# KiCad board analog_i.kicad_pcb
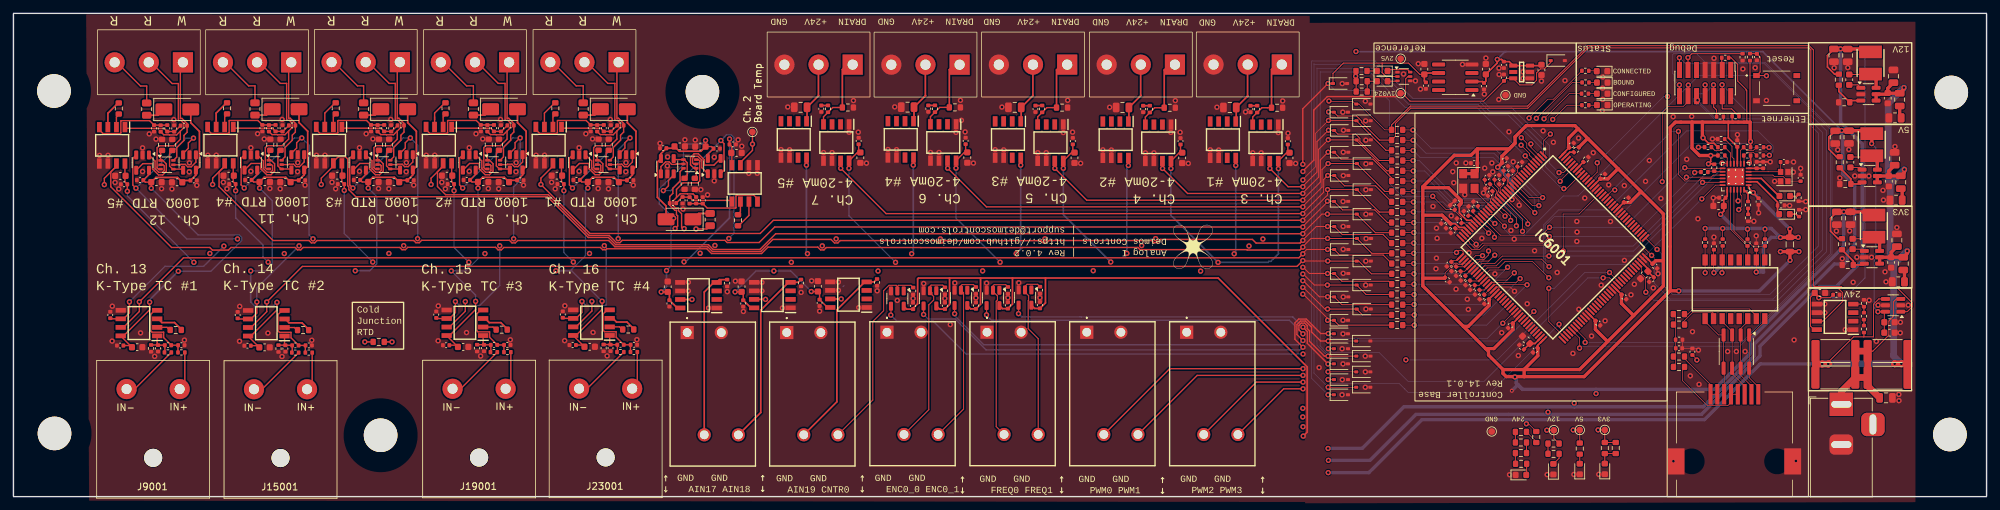
[diagram p0: board, top side]
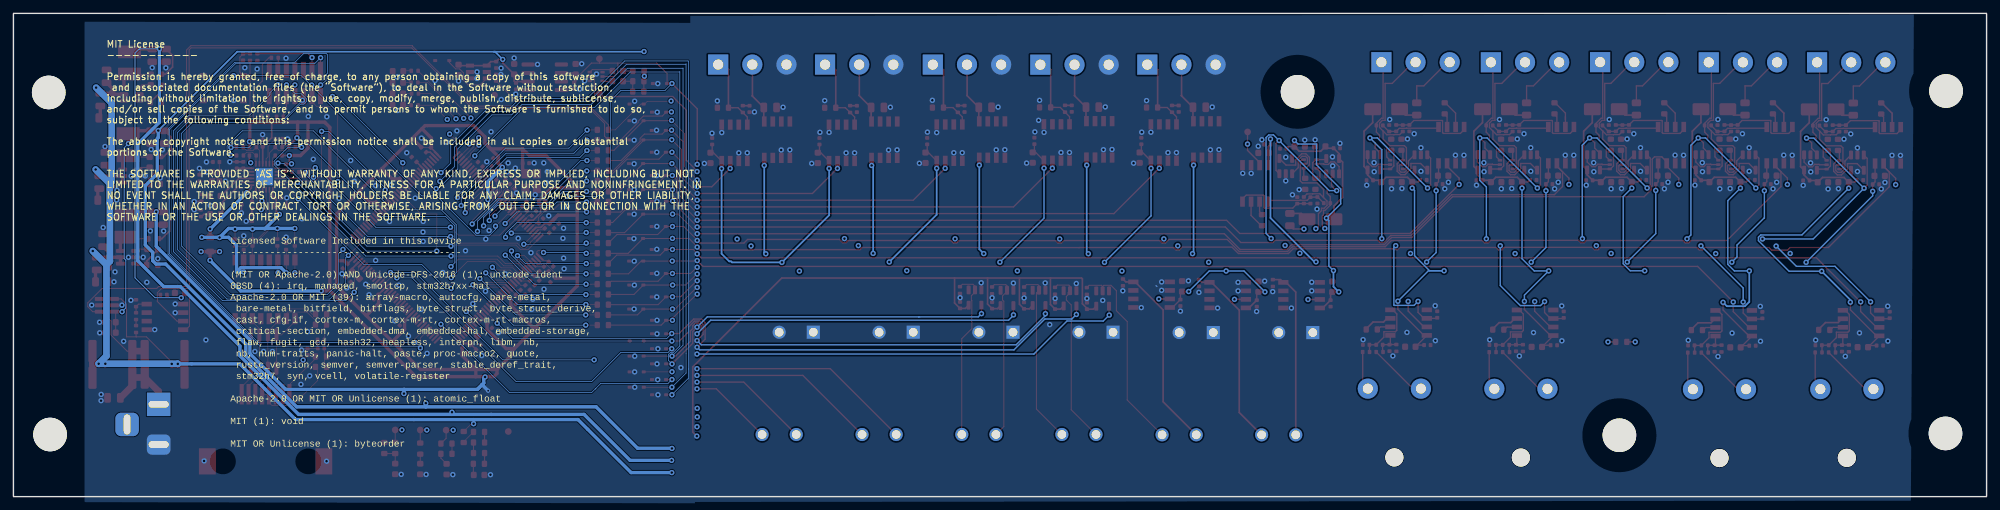
[diagram p1: board, bottom side, seen from below]

Outline 293.57 x 72 mm; copper layers: Top, In1.Cu, In2.Cu, Bottom. Coordinates in mm from the lower left corner of the outline.
Outline path: rectangle 0,72 293.57,0
Stack: Top 0.035mm / dielectric 0.1mm FR4 er 4.5 / In1.Cu 0.035mm / dielectric 1.24mm FR4 er 4.5 / In2.Cu 0.035mm / dielectric 0.1mm FR4 er 4.5 / Bottom 0.035mm

## Placement (name value [footprint] x y rotation side)
-1001  logo_minimal_25p4_by_20p3_mm  [logo_minimal_12p7_by_10p9_mm]  175.5 37.22 180 top
C3001  0.1uF  [C_0402_1005Metric]  108.58 28.78 90 top
C3002  10uF  [C_0603_1608Metric]  108.33 31.28 270 top
C3003  0.1uF  [C_0402_1005Metric]  119.94 28.88 90 top
C3004  10uF  [C_0603_1608Metric]  119.69 31.33 270 top
C3005  0.1uF  [C_0402_1005Metric]  97.6 28.79 90 top
C3006  10uF  [C_0603_1608Metric]  97.35 31.27 270 top
C3007  0.1uF  [C_0402_1005Metric]  133.85 28.41 270 top
C3008  0.1uF  [C_0402_1005Metric]  152.73 28.52 270 top
C3009  0.1uF  [C_0402_1005Metric]  147.96 28.49 270 top
C3010  0.1uF  [C_0402_1005Metric]  138.59 28.42 270 top
C3011  0.1uF  [C_0402_1005Metric]  143.21 28.46 270 top
C4001  1nF  [C_0402_1005Metric]  102.56 44.14 270 top
C4002  10nF  [C_0402_1005Metric]  100.6 44.14 90 top
C4003  1nF  [C_0402_1005Metric]  99.56 44.16 270 top
C4004  0.1uF  [C_0402_1005Metric]  107.02 52.48 0 top
C4005  10uF  [C_0603_1608Metric]  107.58 51.22 180 top
C4006  10uF  [C_0603_1608Metric]  102.2 52.16 0 top
C4007  0.1uF  [C_0402_1005Metric]  104.65 51.86 0 top
C4010  0.1uF  [C_0402_1005Metric]  96.67 51.91 180 top
C4011  10uF  [C_0603_1608Metric]  99.13 52.18 180 top
C5001  1nF  [C_0402_1005Metric]  85.88 54.9 90 top
C5002  10nF  [C_0402_1005Metric]  87.84 54.9 270 top
C5003  1nF  [C_0402_1005Metric]  88.88 54.88 90 top
C5004  0.1uF  [C_0402_1005Metric]  81.42 46.56 180 top
C5005  10uF  [C_0603_1608Metric]  80.86 47.82 0 top
C5006  10uF  [C_0603_1608Metric]  86.23 46.88 180 top
C5007  0.1uF  [C_0402_1005Metric]  83.78 47.18 180 top
C5008  0.1uF  [C_0402_1005Metric]  221.77 62.43 270 top
C5009  0.1uF  [C_0402_1005Metric]  221.75 64.34 90 top
C5010  0.1uF  [C_0402_1005Metric]  91.77 47.13 0 top
C5011  10uF  [C_0603_1608Metric]  89.3 46.86 0 top
C5012  10uF  [C_0603_1608Metric]  227.35 63.58 90 top
C6001  1uF 0402  [C_0402_1005Metric]  224.12 49.51 45 top
C6002  1uF 0402  [C_0402_1005Metric]  222.75 48.21 45 top
C6003  1uF 0402  [C_0402_1005Metric]  222.05 48.9 45 top
C6004  1uF 0402  [C_0402_1005Metric]  219.35 46.23 225 top
C6005  1uF 0402  [C_0402_1005Metric]  219.71 45.17 225 top
C6006  1uF 0402  [C_0402_1005Metric]  219.25 47.55 45 top
C6007  1uF 0402  [C_0402_1005Metric]  221.41 46.87 225 top
C6008  1uF 0402  [C_0402_1005Metric]  220.71 47.57 45 top
C6009  1uF 0402  [C_0402_1005Metric]  217.56 43.63 135 top
C6010  1uF 0402  [C_0402_1005Metric]  216.84 42.91 135 top
C6011  1uF 0402  [C_0402_1005Metric]  216.14 42.2 135 top
C6012  1uF 0402  [C_0402_1005Metric]  214.19 39.63 225 top
C6013  1uF 0402  [C_0402_1005Metric]  213.6 34.63 225 top
C6014  1uF 0402  [C_0402_1005Metric]  214.3 33.93 225 top
C6015  1uF 0402  [C_0402_1005Metric]  214.98 33.23 225 top
C6016  1uF 0402  [C_0402_1005Metric]  215.68 32.54 225 top
C6017  1uF 0402  [C_0402_1005Metric]  216.38 31.84 225 top
C6018  1uF 0402  [C_0402_1005Metric]  217.08 31.15 225 top
C6019  1uF 0402  [C_0402_1005Metric]  217.79 30.44 225 top
C6020  1uF 0402  [C_0402_1005Metric]  218.49 29.74 225 top
C6021  0.1uF  [C_0402_1005Metric]  221.84 50.08 225 top
C6022  0.1uF  [C_0402_1005Metric]  214.8 43.78 315 top
C6023  10nF  [C_0402_1005Metric]  215.1 41.1 315 top
C6024  0.1uF  [C_0402_1005Metric]  214.1 43.08 315 top
C6025  10nF  [C_0402_1005Metric]  213.48 40.33 45 top
C6026  0.1uF  [C_0402_1005Metric]  212.77 41.02 45 top
C6027  0.1uF  [C_0402_1005Metric]  259.4 65.5 90 top
C6028  0.1uF  [C_0402_1005Metric]  231.81 52.35 225 top
C6029  0.1uF  [C_0402_1005Metric]  213.34 32.29 135 top
C6030  0.1uF  [C_0402_1005Metric]  236.46 47.73 225 top
C6031  0.1uF  [C_0402_1005Metric]  219.19 29.05 45 top
C6032  0.1uF  [C_0402_1005Metric]  239.96 44.2 225 top
C6033  0.1uF  [C_0402_1005Metric]  222.73 25.46 45 top
C6034  0.1uF  [C_0402_1005Metric]  224.4 22.27 315 top
C6035  10uF  [C_0603_1608Metric]  225.08 23.35 315 top
C6036  0.1uF  [C_0402_1005Metric]  244.22 34.34 135 top
C6037  0.1uF  [C_0402_1005Metric]  226.43 21.82 45 top
C6038  0.1uF  [C_0402_1005Metric]  239.63 29.75 135 top
C6039  0.1uF  [C_0402_1005Metric]  235.75 25.85 135 top
C6040  10uF  [C_0603_1608Metric]  242.64 33.03 225 top
C6041  0.1uF  [C_0402_1005Metric]  243.71 32.34 45 top
C6043  0.1uF  [C_0402_1005Metric]  217.33 49.68 0 top
C6048  0.1uF  [C_0402_1005Metric]  218.8 61.16 90 top
C6049  10uF  [C_0603_1608Metric]  219.07 63.69 270 top
C6050  0.1uF  [C_0402_1005Metric]  210.15 61.24 90 top
C6051  10uF  [C_0603_1608Metric]  209.92 63.69 270 top
C7001  5.6pF 0402  [C_0402_1005Metric]  263.4 49.86 180 top
C7002  5.6pF 0402  [C_0402_1005Metric]  265.9 47.48 270 top
C7003  470pF 0402  [C_0402_1005Metric]  259.37 49.4 270 top
C7004  1uF 0402  [C_0402_1005Metric]  260.34 49.4 270 top
C7005  0.1uF  [C_0402_1005Metric]  256.48 52.61 270 top
C7006  0.1uF  [C_0402_1005Metric]  259.64 43.97 90 top
C7007  0.1uF  [C_0402_1005Metric]  249.81 21.58 270 top
C7008  0.1uF  [C_0402_1005Metric]  254.25 44.54 0 top
C7009  10uF  [C_0603_1608Metric]  253.7 43.31 0 top
C7010  0.1uF  [C_0402_1005Metric]  259.3 37.26 270 top
C7011  0.1uF  [C_0402_1005Metric]  253 37.28 270 top
C7012  4.7nF  [C_0402_1005Metric]  247.8 22.1 0 top
C8001  0.1uF 0603  [C_0603_1608Metric]  279.13 24.43 0 top
C8002  10uF 0603  [C_0603_1608Metric]  279.13 25.98 0 top
C8003  10uF 50V 0805  [C_0805_2012Metric]  278.62 14.71 0 top
C8005  0.1uF  [C_0402_1005Metric]  271.23 30.07 180 top
C8006  10uF  [C_0603_1608Metric]  268.78 30.35 180 top
C9001  2.2uF  [C_0402_1005Metric]  24.98 22.56 0 top
C9002  1uF  [C_0402_1005Metric]  23 22.56 180 top
C9003  2.2uF  [C_0402_1005Metric]  21.51 22.09 270 top
C9004  0.1uF  [C_0402_1005Metric]  15.88 22.51 180 top
C9005  10uF  [C_0603_1608Metric]  18.41 22.26 180 top
C9006  0.1uF  [C_0402_1005Metric]  14.41 27.06 270 top
C10001  0.1uF 50V 0603  [C_0603_1608Metric]  273.64 37.64 270 top
C10002  10uF 50V 0805  [C_0805_2012Metric]  280.23 38.2 90 top
C10003  10uF 50V 0805  [C_0805_2012Metric]  273.33 41.48 270 top
C10004  10uF 50V 0805  [C_0805_2012Metric]  281.18 34.72 270 top
C10005  0.1uF 50V 0603  [C_0603_1608Metric]  279.38 34.89 270 top
C10006  2.2uF 50V 0805  [C_0805_2012Metric]  271.3 41.47 270 top
C11001  10nF  [C_0402_1005Metric]  184.05 57.77 270 top
C11002  0.1uF  [C_0402_1005Metric]  189.61 52.95 270 top
C11003  10uF  [C_0603_1608Metric]  189.86 50.47 90 top
C11004  0.1uF 50V 0603  [C_0603_1608Metric]  279.03 46.99 270 top
C11005  10uF 50V 0805  [C_0805_2012Metric]  280.81 46.84 270 top
C11006  10uF 50V 0805  [C_0805_2012Metric]  279.9 50.34 90 top
C11009  0.1uF 50V 0603  [C_0603_1608Metric]  273.31 49.82 270 top
C11010  2.2uF 50V 0805  [C_0805_2012Metric]  273.1 53.57 270 top
C11011  10uF 50V 0805  [C_0805_2012Metric]  271.05 53.55 270 top
C12001  0.1uF 50V 0603  [C_0603_1608Metric]  278.87 59.37 270 top
C12002  10uF 50V 0805  [C_0805_2012Metric]  280.65 59.15 270 top
C12003  10uF 50V 0805  [C_0805_2012Metric]  279.72 62.63 90 top
C12006  0.1uF 50V 0603  [C_0603_1608Metric]  273.14 62.13 270 top
C12007  2.2uF 50V 0805  [C_0805_2012Metric]  272.91 65.74 270 top
C12008  10uF 50V 0805  [C_0805_2012Metric]  270.87 65.75 270 top
C13001  1nF  [C_0402_1005Metric]  69.53 54.9 90 top
C13002  10nF  [C_0402_1005Metric]  71.5 54.9 270 top
C13003  1nF  [C_0402_1005Metric]  72.53 54.88 90 top
C13004  0.1uF  [C_0402_1005Metric]  65.08 46.56 180 top
C13005  10uF  [C_0603_1608Metric]  64.52 47.82 0 top
C13006  10uF  [C_0603_1608Metric]  69.89 46.88 180 top
C13007  0.1uF  [C_0402_1005Metric]  67.45 47.18 180 top
C13010  0.1uF  [C_0402_1005Metric]  75.42 47.13 0 top
C13011  10uF  [C_0603_1608Metric]  72.96 46.86 0 top
C14001  10nF  [C_0402_1005Metric]  168.08 57.77 270 top
C14002  0.1uF  [C_0402_1005Metric]  173.64 52.95 270 top
C14003  10uF  [C_0603_1608Metric]  173.89 50.47 90 top
C15001  2.2uF  [C_0402_1005Metric]  43.94 22.53 0 top
C15002  1uF  [C_0402_1005Metric]  41.95 22.53 180 top
C15003  2.2uF  [C_0402_1005Metric]  40.46 22.06 270 top
C15004  0.1uF  [C_0402_1005Metric]  34.83 22.49 180 top
C15005  10uF  [C_0603_1608Metric]  37.36 22.24 180 top
C15006  0.1uF  [C_0402_1005Metric]  33.36 27.04 270 top
C17001  1nF  [C_0402_1005Metric]  53.2 54.9 90 top
C17002  10nF  [C_0402_1005Metric]  55.16 54.9 270 top
C17003  1nF  [C_0402_1005Metric]  56.2 54.88 90 top
C17004  0.1uF  [C_0402_1005Metric]  48.74 46.56 180 top
C17005  10uF  [C_0603_1608Metric]  48.18 47.82 0 top
C17006  10uF  [C_0603_1608Metric]  53.55 46.88 180 top
C17007  0.1uF  [C_0402_1005Metric]  51.11 47.18 180 top
C17008  10uF 50V 0805  [C_0805_2012Metric]  180.98 57.98 0 top
C17010  0.1uF  [C_0402_1005Metric]  59.09 47.13 0 top
C17011  10uF  [C_0603_1608Metric]  56.62 46.86 0 top
C18001  10nF  [C_0402_1005Metric]  152.06 57.78 270 top
C18002  0.1uF  [C_0402_1005Metric]  157.62 52.97 270 top
C18003  10uF  [C_0603_1608Metric]  157.87 50.49 90 top
C19001  2.2uF  [C_0402_1005Metric]  73.48 22.6 0 top
C19002  1uF  [C_0402_1005Metric]  71.5 22.6 180 top
C19003  2.2uF  [C_0402_1005Metric]  70.01 22.13 270 top
C19004  0.1uF  [C_0402_1005Metric]  64.38 22.56 180 top
C19005  10uF  [C_0603_1608Metric]  66.91 22.31 180 top
C19006  0.1uF  [C_0402_1005Metric]  62.91 27.11 270 top
C20001  10uF 50V 0805  [C_0805_2012Metric]  165.01 57.98 0 top
C21001  1nF  [C_0402_1005Metric]  37.03 54.9 90 top
C21002  10nF  [C_0402_1005Metric]  39 54.9 270 top
C21003  1nF  [C_0402_1005Metric]  40.03 54.88 90 top
C21004  0.1uF  [C_0402_1005Metric]  32.58 46.56 180 top
C21005  10uF  [C_0603_1608Metric]  32.02 47.82 0 top
C21006  10uF  [C_0603_1608Metric]  37.39 46.88 180 top
C21007  0.1uF  [C_0402_1005Metric]  34.95 47.18 180 top
C21010  0.1uF  [C_0402_1005Metric]  42.92 47.13 0 top
C21011  10uF  [C_0603_1608Metric]  40.46 46.86 0 top
C22001  10nF  [C_0402_1005Metric]  136.11 57.81 270 top
C22002  0.1uF  [C_0402_1005Metric]  141.67 53 270 top
C22003  10uF  [C_0603_1608Metric]  141.92 50.52 90 top
C23001  2.2uF  [C_0402_1005Metric]  92.31 22.62 0 top
C23002  1uF  [C_0402_1005Metric]  90.33 22.62 180 top
C23003  2.2uF  [C_0402_1005Metric]  88.84 22.16 270 top
C23004  0.1uF  [C_0402_1005Metric]  83.2 22.58 180 top
C23005  10uF  [C_0603_1608Metric]  85.73 22.33 180 top
C23006  0.1uF  [C_0402_1005Metric]  81.73 27.13 270 top
C24001  10uF 50V 0805  [C_0805_2012Metric]  148.99 58 0 top
C25001  1nF  [C_0402_1005Metric]  20.93 54.88 90 top
C25002  10nF  [C_0402_1005Metric]  22.89 54.88 270 top
C25003  1nF  [C_0402_1005Metric]  23.93 54.86 90 top
C25004  0.1uF  [C_0402_1005Metric]  16.46 46.53 180 top
C25005  10uF  [C_0603_1608Metric]  15.9 47.8 0 top
C25006  10uF  [C_0603_1608Metric]  21.28 46.86 180 top
C25007  0.1uF  [C_0402_1005Metric]  18.84 47.16 180 top
C25010  0.1uF  [C_0402_1005Metric]  26.82 47.11 0 top
C25011  10uF  [C_0603_1608Metric]  24.35 46.83 0 top
C26001  10nF  [C_0402_1005Metric]  120.2 57.8 270 top
C26002  0.1uF  [C_0402_1005Metric]  125.76 52.98 270 top
C26003  10uF  [C_0603_1608Metric]  126.01 50.5 90 top
C28001  10uF 50V 0805  [C_0805_2012Metric]  133.04 58.03 0 top
C32001  10uF 50V 0805  [C_0805_2012Metric]  117.12 58.02 0 top
D1001  BZT52C5V6S  [D_SOD-323]  197.51 57.28 0 top
D1002  BZT52C5V6S  [D_SOD-323]  200.88 56.01 0 top
D1003  BZT52C5V6S  [D_SOD-323]  197.56 54.56 0 top
D1004  BZT52C5V6S  [D_SOD-323]  200.91 53.15 0 top
D1005  BZT52C5V6S  [D_SOD-323]  197.56 51.31 0 top
D1006  BZT52C5V6S  [D_SOD-323]  200.94 49.62 0 top
D1007  BZT52C5V6S  [D_SOD-323]  197.57 47.85 0 top
D1008  BZT52C5V6S  [D_SOD-323]  200.93 45.74 0 top
D1009  BZT52C5V6S  [D_SOD-323]  197.54 43.99 0 top
D1010  BZT52C5V6S  [D_SOD-323]  200.93 42.09 0 top
D1011  BZT52C5V6S  [D_SOD-323]  197.57 40.24 0 top
D1012  BZT52C5V6S  [D_SOD-323]  200.95 38.46 0 top
D1013  BZT52C5V6S  [D_SOD-323]  197.56 36.82 0 top
D1014  BZT52C5V6S  [D_SOD-323]  200.92 35.09 0 top
D1015  BZT52C5V6S  [D_SOD-323]  197.56 33.24 0 top
D1016  BZT52C5V6S  [D_SOD-323]  200.9 31.52 0 top
D1017  BZT52C5V6S  [D_SOD-323]  197.55 29.75 0 top
D1018  BZT52C5V6S  [D_SOD-323]  200.91 27.94 0 top
D1019  BZT52C5V6S  [D_SOD-323]  197.52 26.27 0 top
D1020  BZT52C5V6S  [D_SOD-323]  197.51 24.26 0 top
D1021  BZT52C5V6S  [D_SOD-323]  200.85 18.58 0 top
D1022  BZT52C5V6S  [D_SOD-323]  197.52 17.43 0 top
D1023  BZT52C5V6S  [D_SOD-323]  200.84 16.29 0 top
D1024  BZT52C5V6S  [D_SOD-323]  197.51 15.17 0 top
D1025  BZT52C5V6S  [D_SOD-323]  197.52 22.03 0 top
D1026  BZT52C5V6S  [D_SOD-323]  200.86 20.93 0 top
D1027  BZT52C5V6S  [D_SOD-323]  197.51 19.78 0 top
D1028  BZT52C5V6S  [D_SOD-323]  197.38 61.55 0 top
D2001  BZT52C5V6S  [D_SOD-323]  200.84 23.18 0 top
D2002  BZT52C5V6S  [D_SOD-323]  200.85 58.49 0 top
D2003  BZT52C5V6S  [D_SOD-323]  229.77 64.97 0 top
D4001  D_Schottky  [D_SMA]  99.1 41.32 180 top
D5001  D_Schottky  [D_SMA]  89.34 57.72 0 top
D6001  Purple LED  [LED_0603_1608Metric]  236.36 63.39 180 top
D6002  Purple LED  [LED_0603_1608Metric]  236.38 61.69 180 top
D6003  Purple LED  [LED_0603_1608Metric]  236.38 60.04 180 top
D6004  Purple LED  [LED_0603_1608Metric]  236.38 58.35 180 top
D7001  Purple LED  [LED_0603_1608Metric]  263.5 42.08 180 top
D7002  Purple LED  [LED_0603_1608Metric]  263.55 44.8 180 top
D7003  CDNBS08-SLVU2.8-4  [SOIC-8_3.9x4.9mm_P1.27mm]  256.35 21.61 270 top
D7004  Purple LED  [LED_0603_1608Metric]  203.66 63.42 180 top
D7005  Purple LED  [LED_0603_1608Metric]  203.66 61.9 180 top
D7006  Purple LED  [LED_0603_1608Metric]  236.77 4.12 90 top
D7007  Purple LED  [LED_0603_1608Metric]  233.05 4.11 90 top
D7008  Purple LED  [LED_0603_1608Metric]  224.29 3.22 0 top
D7009  Purple LED  [LED_0603_1608Metric]  229.12 4.09 90 top
D13001  D_Schottky  [D_SMA]  73 57.72 0 top
D17001  D_Schottky  [D_SMA]  56.66 57.72 0 top
D21001  D_Schottky  [D_SMA]  40.5 57.72 0 top
D25001  D_Schottky  [D_SMA]  24.39 57.69 0 top
FB7001  GZ2012D601TF  [L_0805_2012Metric]  264.3 37.57 90 top
H2001  MountingHole_for_10-32  [MountingHole_5mm]  288.12 9.25 0 top
H2002  MountingHole_for_10-32  [MountingHole_5mm]  288.32 60.22 0 top
H3001  MountingHole_for_10-32  [MountingHole_5mm]  6.03 60.44 0 top
H3002  MountingHole_for_10-32  [MountingHole_5mm]  6.11 9.41 0 top
H3003  MountingHole_for_10-32  [MountingHole_5mm]  102.51 60.32 0 top
H3004  MountingHole_for_10-32  [MountingHole_5mm]  54.63 9.14 0 top
IC3001  INA826AIDR  [SOIC127P600X175-8N]  112.91 30.03 180 top
IC3002  INA826AIDR  [SOIC127P600X175-8N]  124.24 30.09 180 top
IC3003  INA826AIDR  [SOIC127P600X175-8N]  101.92 30.01 180 top
IC4001  INA826AIDR  [SOIC127P600X175-8N]  108.8 46.67 90 top
IC4002  TLV333IDBVR  [SOT-23-5]  104.27 49.25 90 top
IC4003  TLV333IDBVR  [SOT-23-5]  97.28 49.23 90 top
IC5001  INA826AIDR  [SOIC127P600X175-8N]  79.64 52.37 270 top
IC5002  TLV333IDBVR  [SOT-23-5]  84.17 49.79 270 top
IC5003  TLV333IDBVR  [SOT-23-5]  91.15 49.81 270 top
IC5004  REF35102QDBVR  [SOT95P280X145-6N]  224.4 63.27 180 top
IC6001  STM32H743ZIT6  [QFP50P2200X2200X160-144N]  229.05 37.14 315 top
IC8001  INA826AIDR  [SOIC127P600X175-8N]  271.03 26.78 180 top
IC9001  INA826AIDR  [SOIC127P600X175-8N]  18.67 25.85 180 top
IC10001  TPS560430XDBVR  [SOT-23-6]  276.52 35.66 0 top
IC11001  INA826AIDR  [SOIC127P600X175-8N]  186.28 52.72 270 top
IC11002  TPS560430XDBVR  [SOT-23-6]  276.18 47.77 0 top
IC12001  TPS560430XDBVR  [SOT-23-6]  276 59.96 0 top
IC13001  INA826AIDR  [SOIC127P600X175-8N]  63.3 52.37 270 top
IC13002  TLV333IDBVR  [SOT-23-5]  67.83 49.79 270 top
IC13003  TLV333IDBVR  [SOT-23-5]  74.81 49.81 270 top
IC14001  INA826AIDR  [SOIC127P600X175-8N]  170.32 52.72 270 top
IC15001  INA826AIDR  [SOIC127P600X175-8N]  37.62 25.83 180 top
IC17001  INA826AIDR  [SOIC127P600X175-8N]  46.96 52.37 270 top
IC17002  TLV333IDBVR  [SOT-23-5]  51.49 49.79 270 top
IC17003  TLV333IDBVR  [SOT-23-5]  58.47 49.81 270 top
IC17004  BD42540FJ-CE2  [SOIC127P600X175-8N]  179.96 53.18 270 top
IC18001  INA826AIDR  [SOIC127P600X175-8N]  154.3 52.74 270 top
IC19001  INA826AIDR  [SOIC127P600X175-8N]  67.17 25.9 180 top
IC20001  BD42540FJ-CE2  [SOIC127P600X175-8N]  163.99 53.18 270 top
IC21001  INA826AIDR  [SOIC127P600X175-8N]  30.79 52.37 270 top
IC21002  TLV333IDBVR  [SOT-23-5]  35.33 49.79 270 top
IC21003  TLV333IDBVR  [SOT-23-5]  42.31 49.81 270 top
IC22001  INA826AIDR  [SOIC127P600X175-8N]  138.34 52.77 270 top
IC23001  INA826AIDR  [SOIC127P600X175-8N]  86 25.92 180 top
IC24001  BD42540FJ-CE2  [SOIC127P600X175-8N]  147.97 53.2 270 top
IC25001  INA826AIDR  [SOIC127P600X175-8N]  14.69 52.34 270 top
IC25002  TLV333IDBVR  [SOT-23-5]  19.21 49.77 270 top
IC25003  TLV333IDBVR  [SOT-23-5]  26.2 49.78 270 top
IC26001  INA826AIDR  [SOIC127P600X175-8N]  122.43 52.75 270 top
IC28001  BD42540FJ-CE2  [SOIC127P600X175-8N]  132.02 53.23 270 top
IC32001  BD42540FJ-CE2  [SOIC127P600X175-8N]  116.1 53.22 270 top
J3001  Screw_Terminal_01x04  [1725038]  100.24 24.44 0 top
J3002  Screw_Terminal_01x04  [1725038]  159.69 24.49 0 top
J3003  Screw_Terminal_01x04  [1725038]  174.56 24.49 0 top
J3004  Screw_Terminal_01x04  [1725038]  129.96 24.5 0 top
J3005  Screw_Terminal_01x04  [1725038]  144.85 24.5 0 top
J3006  Screw_Terminal_01x04  [1725038]  115.05 24.44 0 top
J6001  Conn_02x07_Odd_Even  [PinHeader_2x07_P1.27mm_Vertical_SMD]  251.7 61.62 270 top
J7001  6339160-1  [63391601]  256.05 7.78 0 top
J8001  Barrel_Jack PJ-202BH  [BarrelJack_Horizontal]  271.96 13.75 90 top
J9001  -  [AM-K-PCB]  20.79 1.77 180 top
J10001  Screw_Terminal_01x03  [Screw_Terminal_3_P5.08mm]  90.04 64.73 180 top
J11001  Screw_Terminal_01x03  [Screw_Terminal_3_P5.08mm]  188.72 64.38 180 top
J12001  Screw_Terminal_01x03  [Screw_Terminal_3_P5.08mm]  73.75 64.72 180 top
J14001  Screw_Terminal_01x03  [Screw_Terminal_3_P5.08mm]  172.81 64.37 180 top
J15001  -  [AM-K-PCB]  39.73 1.75 180 top
J16001  Screw_Terminal_01x03  [Screw_Terminal_3_P5.08mm]  57.5 64.74 180 top
J18001  Screw_Terminal_01x03  [Screw_Terminal_3_P5.08mm]  156.78 64.37 180 top
J19001  -  [AM-K-PCB]  69.28 1.81 180 top
J20001  Screw_Terminal_01x03  [Screw_Terminal_3_P5.08mm]  41.33 64.71 180 top
J22001  Screw_Terminal_01x03  [Screw_Terminal_3_P5.08mm]  140.78 64.36 180 top
J23001  -  [AM-K-PCB]  88.11 1.84 180 top
J24001  Screw_Terminal_01x03  [Screw_Terminal_3_P5.08mm]  25.22 64.71 180 top
J26001  Screw_Terminal_01x03  [Screw_Terminal_3_P5.08mm]  124.87 64.37 180 top
L10001  12uH FNR4030S120MT  [INDPM4040X300N]  276.81 40.31 270 top
L11001  18uH  FNR4030S180MT  [INDPM4040X300N]  276.5 52.43 270 top
L12001  33uH  FNR4020S330MT  [INDPM4040X300N]  276.31 64.61 270 top
R3001  PTS060301B100RP100  [R_0603_1608Metric]  54.35 23.05 0 top
R3002  1M  [R_0402_1005Metric]  117.18 31.84 270 top
R3003  1M  [R_0402_1005Metric]  128.49 31.91 270 top
R3004  1M  [R_0402_1005Metric]  106.19 31.82 270 top
R3005  1M  [R_0402_1005Metric]  133.87 30.64 270 top
R3006  1M  [R_0402_1005Metric]  152.74 30.77 270 top
R3007  1M  [R_0402_1005Metric]  147.97 30.73 270 top
R3008  1M  [R_0402_1005Metric]  138.6 30.67 270 top
R3009  1M  [R_0402_1005Metric]  143.2 30.72 270 top
R4002  RNCF0603TKY2K00 2k 0.01% 5ppm/C  [R_0603_1608Metric]  107.81 41.18 270 top
R4003  300  [R_0805_2012Metric]  103.66 41.28 270 top
R4004  10k 1%  [C_0402_1005Metric]  101.58 44.16 90 top
R4005  10k 1%  [C_0402_1005Metric]  98.13 43.73 180 top
R4006  RNCF0603TKW10K0 10k 0.01% 5ppm/C  [R_0603_1608Metric]  101.38 46.61 270 top
R4009  RNCF0603TKW10K0 10k 0.01% 5ppm/C  [R_0603_1608Metric]  99.86 46.61 270 top
R5002  RNCF0603TKY2K00 2k 0.01% 5ppm/C  [R_0603_1608Metric]  80.62 57.86 90 top
R5003  300  [R_0805_2012Metric]  84.78 57.76 90 top
R5004  10k 1%  [C_0402_1005Metric]  86.86 54.88 270 top
R5005  10k 1%  [C_0402_1005Metric]  90.31 55.31 0 top
R5006  RNCF0603TKW10K0 10k 0.01% 5ppm/C  [R_0603_1608Metric]  87.06 52.44 90 top
R5009  RNCF0603TKW10K0 10k 0.01% 5ppm/C  [R_0603_1608Metric]  88.58 52.44 90 top
R6001  10R 0603  [R_0603_1608Metric]  205.87 54.65 0 top
R6002  10R 0603  [R_0603_1608Metric]  205.87 53.12 0 top
R6003  10R 0603  [R_0603_1608Metric]  205.87 51.6 0 top
R6004  10R 0603  [R_0603_1608Metric]  205.87 47.02 0 top
R6005  10R 0603  [R_0603_1608Metric]  205.87 45.47 0 top
R6006  10R 0603  [R_0603_1608Metric]  205.87 43.92 0 top
R6007  10R 0603  [R_0603_1608Metric]  205.88 50.08 0 top
R6008  10R 0603  [R_0603_1608Metric]  205.87 48.55 0 top
R6009  10R 0603  [R_0603_1608Metric]  205.87 42.4 0 top
R6010  10R 0603  [R_0603_1608Metric]  205.87 40.83 0 top
R6011  10R 0603  [R_0603_1608Metric]  205.87 39.32 0 top
R6012  10R 0603  [R_0603_1608Metric]  205.87 37.77 0 top
R6013  10R 0603  [R_0603_1608Metric]  205.89 36.25 0 top
R6014  10R 0603  [R_0603_1608Metric]  205.89 34.72 0 top
R6015  10R 0603  [R_0603_1608Metric]  205.89 33.2 0 top
R6016  10R 0603  [R_0603_1608Metric]  205.89 31.66 0 top
R6017  10R 0603  [R_0603_1608Metric]  205.87 30.12 0 top
R6018  10R 0603  [R_0603_1608Metric]  205.88 28.6 0 top
R6019  10R 0603  [R_0603_1608Metric]  205.87 27.07 0 top
R6020  10R 0603  [R_0603_1608Metric]  205.88 25.55 0 top
R6021  10k  [R_0402_1005Metric]  232.53 51.68 225 top
R6022  10k  [R_0402_1005Metric]  233.96 50.24 45 top
R6023  10k  [R_0402_1005Metric]  233.87 63.45 180 top
R6024  100R 0402  [R_0402_1005Metric]  257.27 65.49 90 top
R6025  10k  [R_0402_1005Metric]  233.9 61.71 180 top
R6026  10k  [R_0402_1005Metric]  233.82 60.04 180 top
R6027  10k  [R_0402_1005Metric]  233.87 58.32 180 top
R6028  10k  [R_0402_1005Metric]  258.37 65.5 90 top
R6029  10k  [R_0402_1005Metric]  256.23 56.67 180 top
R6030  10k  [R_0402_1005Metric]  253.91 56.62 0 top
R7001  33R  [R_0402_1005Metric]  259.87 52.06 0 top
R7002  10k  [R_0402_1005Metric]  257.94 52.06 180 top
R7003  33R  [R_0402_1005Metric]  259.86 50.83 0 top
R7004  10k  [R_0402_1005Metric]  257.95 50.83 180 top